# Altium PCB Cross-board.PcbDoc (part 2 of 2)
Units mm, origin at the board's own origin, x right, y up, seen from the top; angles counter-clockwise.
Board outline 151.25 x 101.25 mm, 2 copper layers (Top Layer, Bottom Layer); 165 components, 175 nets, 685 pads, 234 vias.
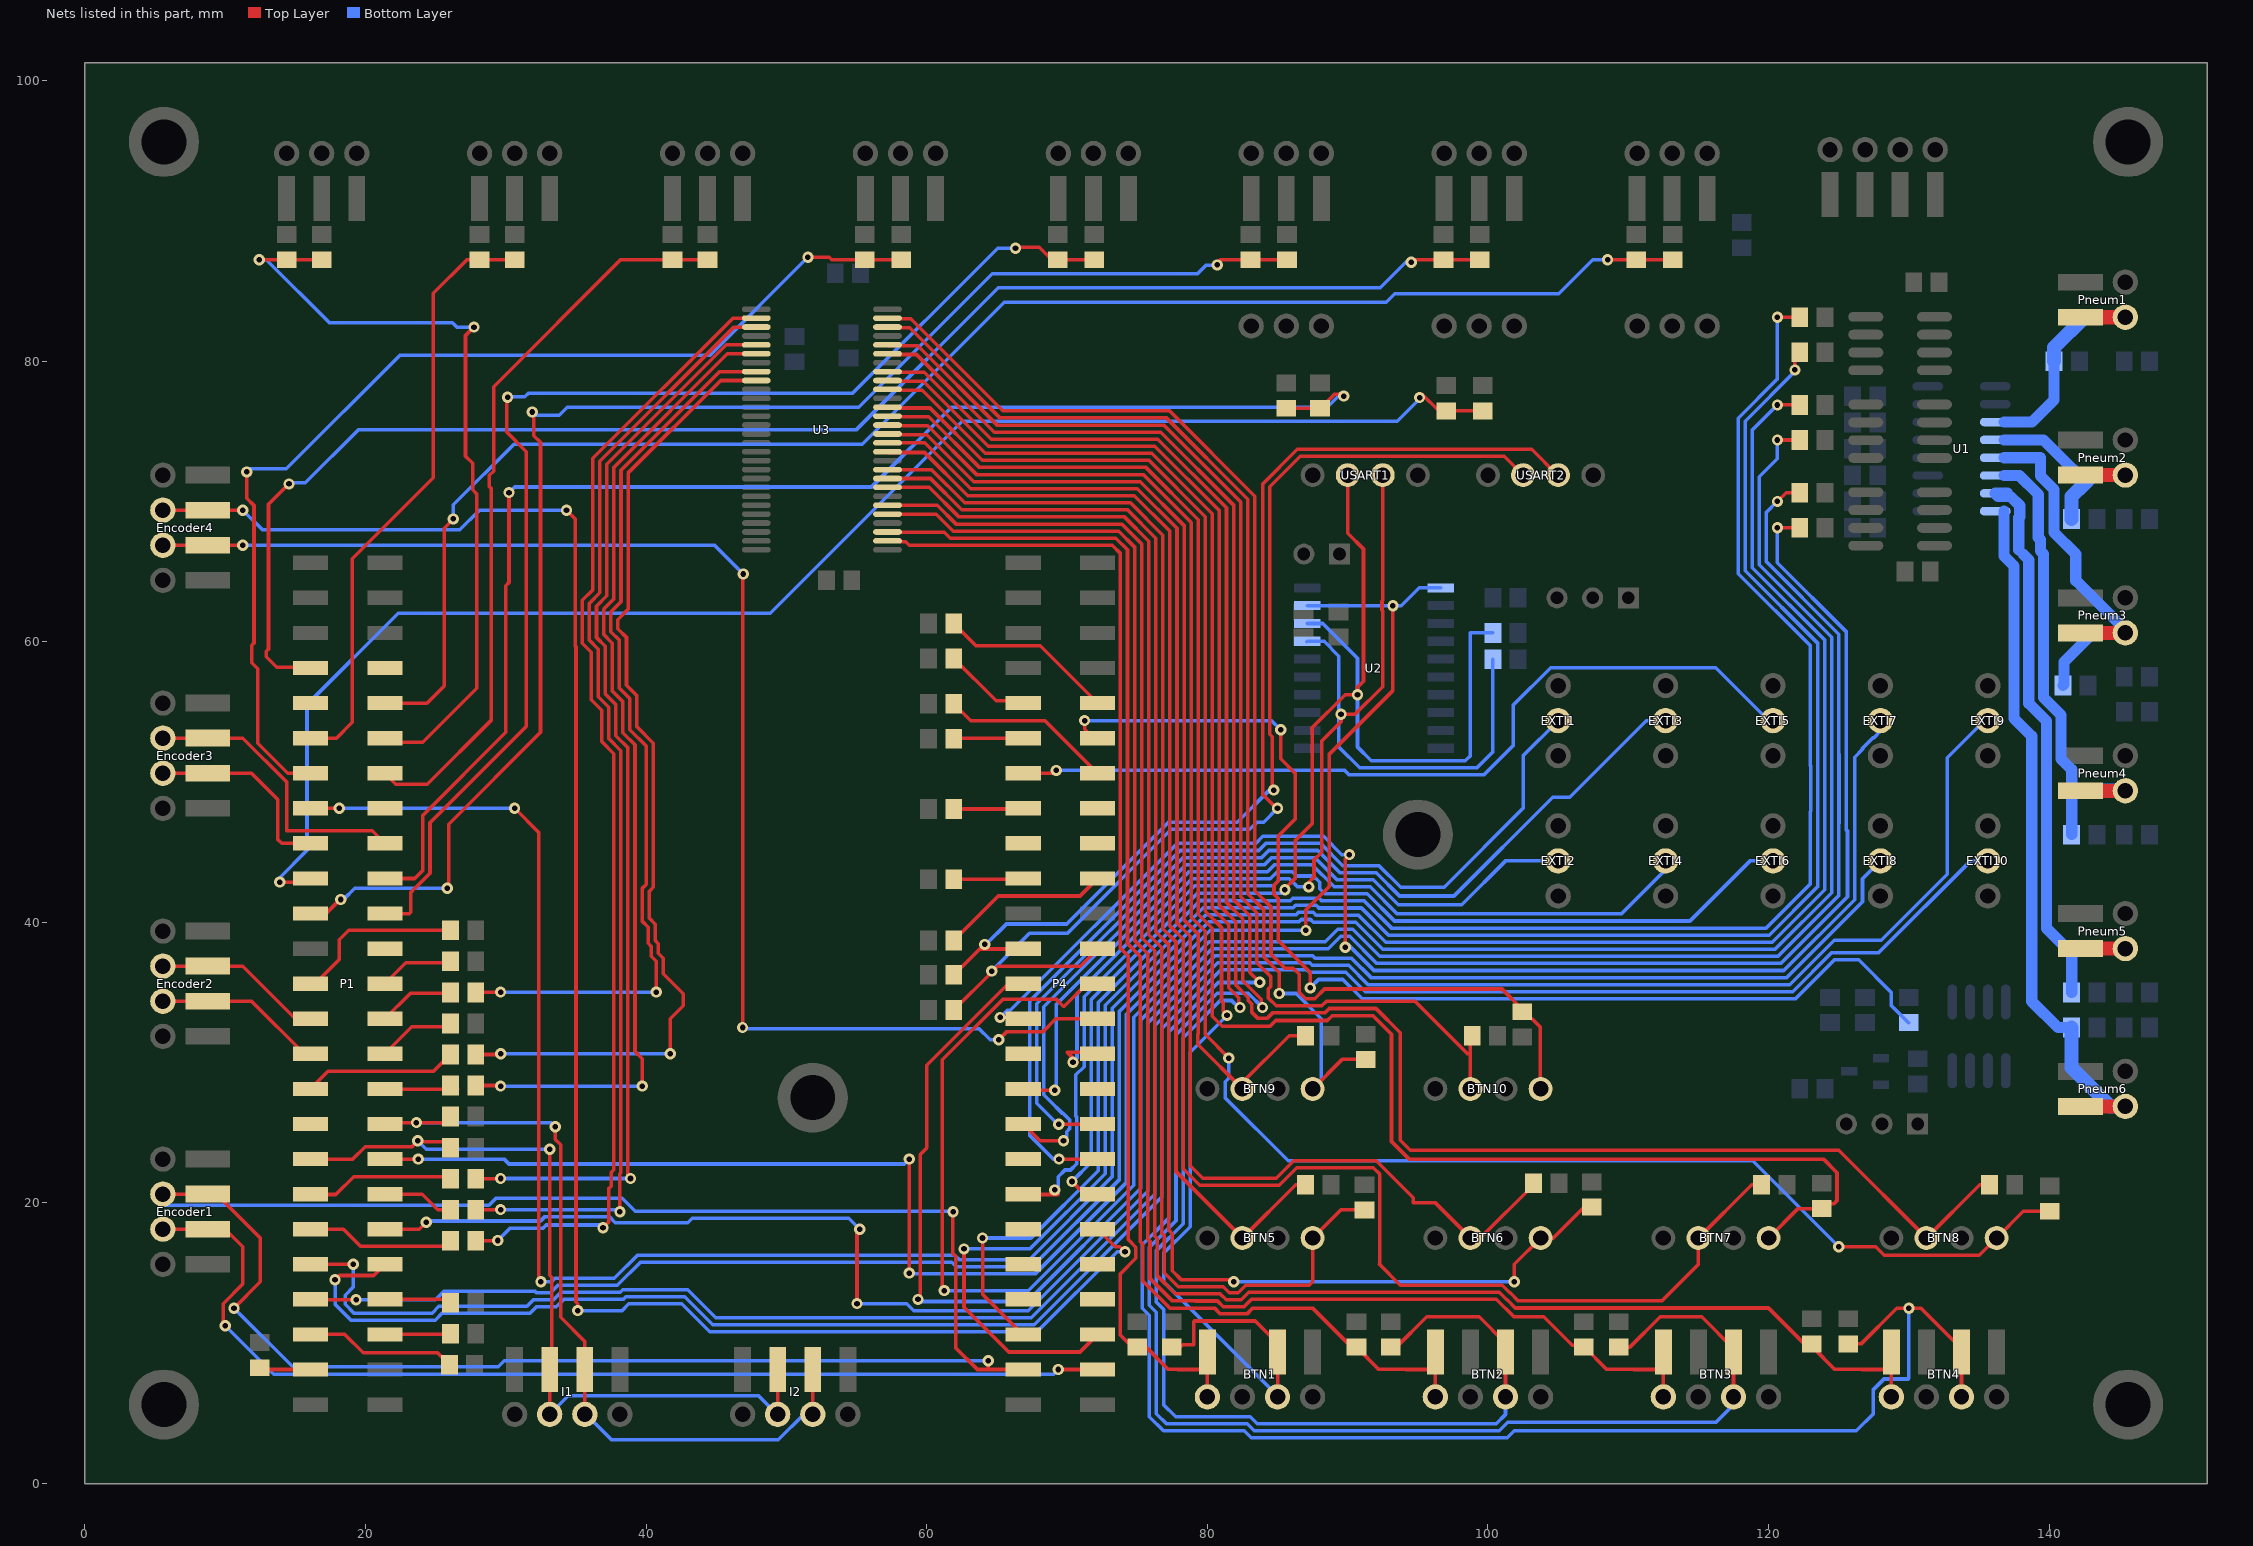
[diagram p2: the nets of this part, all layers, seen from the top]

## Via types
v1: diameter 0.8, hole 0.4, Top Layer to Bottom Layer, 219 vias
v2: diameter 1.2, hole 0.8, Top Layer to Bottom Layer, 15 vias

## Nets (pads, with @x,y where several pads share a name; then routed paths per layer and width w, separated by ;. In a path a pad name is that pad's centre, name@x,y a point inside that pad or via, vN(x,y) a via of type N, cw(c..) or ccw(c..) an arc to the next point about the centre after c; other vN are vias at no path point) (continued)
NetR52_2: R52.2 U3.37 | length 70.1
  Top Layer w0.254: R52.2@27.848,30.579 29.679,30.579 v1(29.633,30.625) ; v1(41.723,30.625) 41.723,33.124 42.652,34.053 42.652,34.911 41.219,36.344 41.219,37.443 40.867,37.795 40.867,38.484 40.645,38.706 40.645,39.868 40.211,40.302 40.211,42.198 40.504,42.491 40.504,52.772 39.344,53.932 39.344,56.156 38.598,56.902 38.598,60.303 37.973,60.928 37.973,61.572 38.71,62.309 38.71,72.021 45.306,78.617 U3.37@47.85,78.617
  Bottom Layer w0.254: v1(29.633,30.625) v1(41.723,30.625)
NetR53_2: R53.2 U3.36 | length 64.5
  Top Layer w0.254: R53.2@27.848,35.002 29.602,35.002 v1(29.625,35.025) ; v1(40.725,35.025) 40.715,35.035 40.715,37.234 40.363,37.586 40.363,38.275 40.141,38.497 40.141,39.659 39.707,40.093 39.707,42.407 40,42.7 40,52.563 38.84,53.723 38.84,55.947 38.094,56.693 38.094,60.094 37.469,60.719 37.469,62.118 38.206,62.855 38.206,72.23 45.229,79.252 U3.36@47.85,79.252
  Bottom Layer w0.254: v1(29.625,35.025) v1(40.725,35.025)
NetR54_2: R54.2 U3.34 | length 71
  Top Layer w0.254: R54.2@27.848,28.367 29.583,28.367 v1(29.625,28.325) ; v1(39.725,28.325) 39.725,30.275 39.203,30.797 39.203,52.648 38.336,53.515 38.336,55.738 37.59,56.484 37.59,59.886 36.965,60.511 36.965,62.327 37.702,63.064 37.702,72.439 45.786,80.522 U3.34@47.85,80.522
  Bottom Layer w0.254: v1(29.625,28.325) v1(39.725,28.325)
NetR55_2: R55.2 U3.33 | length 77.4
  Top Layer w0.254: R55.2@27.848,21.733 29.617,21.733 v1(29.625,21.74) ; v1(38.885,21.74) 38.699,21.926 38.699,52.439 37.832,53.306 37.832,55.529 37.086,56.275 37.086,59.677 36.461,60.302 36.461,62.535 37.198,63.272 37.198,72.647 45.708,81.157 U3.33@47.85,81.157
  Bottom Layer w0.254: v1(29.625,21.74) v1(38.885,21.74)
NetR56_2: R56.2 U3.31 | length 80.2
  Top Layer w0.254: R56.2@27.848,19.521 29.621,19.521 v1(29.625,19.525) ; v1(38.125,19.375) 38.108,19.392 38.108,22.062 38.195,22.15 38.195,52.23 37.328,53.097 37.328,55.321 36.582,56.067 36.582,59.468 35.957,60.093 35.957,62.744 36.694,63.481 36.694,72.856 46.265,82.427 U3.31@47.85,82.427 U3.31@47.847,82.425
  Bottom Layer w0.254: v1(29.625,19.525) 37.975,19.525 v1(38.125,19.375)
NetR57_2: R57.2 U3.30 | length 82.2
  Top Layer w0.254: R57.2@27.848,17.31 29.41,17.31 v1(29.425,17.325) ; v1(36.925,18.225) 37.348,18.648 37.348,21.035 37.5,21.187 37.5,22.167 37.691,22.358 37.691,52.021 36.824,52.888 36.824,55.112 36.078,55.858 36.078,59.259 35.453,59.884 35.453,62.953 36.19,63.69 36.19,73.065 46.187,83.062 U3.30@47.85,83.062
  Bottom Layer w0.254: v1(29.425,17.325) 30.309,18.209 32.672,18.209 32.888,18.425 37.125,18.425 v1(36.925,18.225)
PA0: C45.1 P1.12 R58.2 | length 56.3
  Top Layer w0.254: v1(12.425,87.225) C45.1@14.375,87.225 R58.2@16.875,87.225 ; P1.12@21.375,53.125 21.675,52.825 24.07,52.825 27.936,56.691 27.936,70.526 27.629,70.833 27.629,72.721 27.125,73.225 27.125,81.825 v1(27.725,82.425)
  Bottom Layer w0.254: v1(12.425,87.225) 12.925,87.225 17.425,82.725 26.194,82.725 26.494,82.425 v1(27.725,82.425)
PA1: C46.1 P1.11 R59.2 | length 43.2
  Top Layer w0.254: P1.11@16.075,53.125 17.925,53.125 19.052,54.252 19.052,65.907 24.825,71.68 24.825,84.825 27.225,87.225 C46.1@28.125,87.225 R59.2@30.625,87.225
PA2: C47.1 P1.14 R60.2 | length 52.7
  Top Layer w0.254: P1.14@21.375,50.625 22.152,49.848 24.403,49.848 28.944,54.389 28.944,70.943 28.825,71.062 28.825,71.856 29.125,72.156 29.125,78.18 38.17,87.225 40.025,87.225 C47.1@41.875,87.225 R60.2@44.375,87.225
PA3: C48.1 P1.13 R61.2 | length 77.5
  Top Layer w0.254: v1(11.525,72.1) 11.525,70.231 12.05,69.706 12.05,59.907 11.894,59.751 11.894,58.499 12.325,58.068 12.325,52.763 14.463,50.625 P1.13@16.075,50.625 ; v1(51.525,87.4) 53.05,87.4 53.225,87.225 C48.1@55.575,87.225 R61.2@58.175,87.225
  Bottom Layer w0.254: v1(11.525,72.1) 11.75,72.325 14.351,72.325 22.451,80.425 44.55,80.425 v1(51.525,87.4)
PA4: P1.16
PA5: P1.15 R24.1 | length 200.3
  Top Layer w0.254: P1.15@16.075,48.125 v1(18.125,48.125) ; v1(30.625,48.125) 32.348,46.402 32.348,14.527 v1(32.5,14.375) ; v1(120.625,76.875) R24.1@122.225,76.875
  Bottom Layer w0.254: v1(18.125,48.125) v1(30.625,48.125) ; v1(32.5,14.375) 33.249,14.375 33.507,14.633 37.734,14.633 39.382,16.281 61.995,16.281 62.33,15.946 67.297,15.946 73.229,21.878 73.229,33.869 79.905,40.545 81.469,40.545 81.48,40.534 86.322,40.534 86.494,40.706 87.555,40.706 87.747,40.514 90.773,40.514 92.705,38.582 120.251,38.582 123.992,42.323 123.992,47.472 124.009,47.489 124.009,51.561 123.992,51.578 123.992,60.12 118.84,65.272 118.84,75.09 v1(120.625,76.875)
PA6: Encoder3.3 P1.18 | length 21
  Top Layer w0.254: Encoder3.3@5.55,53.125 Encoder3.3@8.75,53.125 11.25,53.125 14.375,50 14.375,46.535 20.465,46.535 P1.18@21.375,45.625
PA7: Encoder3.2 P1.17 | length 14.3
  Top Layer w0.254: Encoder3.2@5.55,50.625 Encoder3.2@8.75,50.625 11.875,50.625 13.75,48.75 13.75,45.902 14.027,45.625 P1.17@16.075,45.625
PA8: P4.43
PA9: P4.44
PA10: P4.41
PA13: P4.42
PA14: P4.39
PA15: Encoder4.3 P4.40 | length 132.9
  Top Layer w0.254: Encoder4.3@4.925,69.375 v1(11.25,69.375) ; v1(34.324,69.375) 34.949,68.75 34.949,59.676 35,59.625 35,12.95 35.125,12.825 v1(35.125,12.325) ; P4.40@72.175,18.125 73.425,16.875 73.75,16.875 74.1,16.525 v1(74.125,16.525)
  Bottom Layer w0.254: v1(11.25,69.375) 12.652,67.973 26.723,67.973 28.125,69.375 v1(34.324,69.375) ; v1(35.125,12.325) 38.277,12.325 38.754,12.802 42.547,12.802 44.54,10.809 67.862,10.809 73.578,16.525 v1(74.125,16.525)
PB0: C49.1 P1.22 R62.2 | length 89.2
  Top Layer w0.254: P1.22@21.375,40.625 23.125,40.625 23.221,40.721 23.221,42.126 23.516,42.421 23.52,42.421 24.594,43.494 24.594,47.094 31.46,53.96 31.46,73.54 30.075,74.925 30.075,77.375 v1(30.125,77.425) ; v1(66.325,88.05) 66.4,88.125 68.025,88.125 68.925,87.225 C49.1@69.325,87.225 R62.2@71.925,87.225
  Bottom Layer w0.254: v1(30.125,77.425) 30.148,77.448 31.347,77.448 31.62,77.721 54.734,77.721 65.063,88.05 v1(66.325,88.05)
PB1: C50.1 P1.21 R63.2 | length 106
  Top Layer w0.254: P1.21@16.075,40.625 17.176,40.625 18.176,41.625 v1(18.225,41.625) ; v1(25.825,42.425) 25.925,42.525 25.925,46.999 32.468,53.542 32.468,74.206 31.996,74.678 31.996,76.253 v1(31.875,76.374) ; v1(80.696,86.854) 80.696,86.996 80.925,87.225 C50.1@83.075,87.225 R63.2@85.675,87.225
  Bottom Layer w0.254: v1(18.225,41.625) 18.425,41.625 19.225,42.425 v1(25.825,42.425) ; v1(31.875,76.374) 32.101,76.148 33.81,76.148 34.375,76.713 55.151,76.713 64.667,86.229 79.299,86.229 79.89,86.819 80.662,86.819 v1(80.696,86.854)
PB2: P1.24
PB3: Encoder4.2 P4.28 | length 100.9
  Top Layer w0.254: Encoder4.2@4.925,66.875 Encoder4.2@7.5,66.875 ; Encoder4.2@8.125,66.875 v1(11.25,66.875) ; v1(46.875,32.5) 46.875,64.775 v1(46.925,64.825) ; v1(65.125,31.625) 65.715,32.215 68.291,32.215 69.201,33.125 P4.28@72.175,33.125
  Bottom Layer w0.254: v1(11.25,66.875) 44.875,66.875 v1(46.925,64.825) ; v1(46.875,32.5) 46.95,32.425 63.725,32.425 64.525,31.625 v1(65.125,31.625)
PB4: P4.25 R25.1 | length 143.1
  Top Layer w0.254: v1(59.375,13.125) 59.527,13.277 59.527,23.447 60,23.92 60,29.812 65.813,35.625 P4.25@66.875,35.625 ; v1(120.625,68.125) R25.1@122.225,68.125
  Bottom Layer w0.254: v1(59.375,13.125) 59.527,12.973 67.175,12.973 75.245,21.043 75.245,33.034 80.329,38.118 88.619,38.118 89.503,39.002 90.147,39.002 92.079,37.07 120.877,37.07 125.625,41.818 125.625,46.512 125.521,46.616 125.521,60.729 120.625,65.625 v1(120.625,68.125)
PB5: P4.26 R20.1 | length 146.7
  Top Layer w0.254: v1(61.25,13.75) 61.098,13.902 61.098,30.197 65.403,34.502 69.247,34.502 69.737,34.012 69.788,34.012 71.401,35.625 P4.26@72.175,35.625 ; v1(120.625,70) 121.25,70.625 R20.1@122.225,70.625
  Bottom Layer w0.254: v1(61.25,13.75) 67.239,13.75 74.741,21.252 74.741,33.243 80.12,38.622 88.41,38.622 89.294,39.506 90.356,39.506 92.288,37.574 120.668,37.574 125,41.906 125,47.054 125.017,47.071 125.017,51.979 125,51.996 125,60.537 119.848,65.689 119.848,69.223 v1(120.625,70)
PB6: P4.23 R26.1 USART2.3 | length 75.4
  Top Layer w0.254: R26.1@61.525,36.25 R26.1@61.875,36.25 ; R26.1@61.925,36.25 63.775,38.1 66.875,38.1 P4.23@66.875,38.125 64.425,38.125 v1(64.125,38.425) ; v1(84.725,49.425) 84.625,49.425 84.625,53.226 84.448,53.403 84.448,71.035 86.626,73.213 101.162,73.213 USART2.3@102.5,71.875
  Bottom Layer w0.254: v1(64.125,38.425) 64.225,38.425 65.679,39.879 69.973,39.879 77.228,47.134 82.134,47.134 84.425,49.425 v1(84.725,49.425)
PB7: P4.24 R27.1 USART2.2 | length 83.7
  Top Layer w0.254: R27.1@61.925,33.75 64.662,36.488 65.05,36.875 70.95,36.875 72.175,38.1 72.15,38.125 P4.24@72.175,38.125 ; v1(85,48.125) 84.926,48.125 83.944,49.107 83.944,71.244 86.417,73.717 89.161,73.717 103.112,73.717 104.954,71.875 USART2.2@105,71.875
  Bottom Layer w0.254: v1(64.625,36.525) 67.325,39.225 70.031,39.225 77.436,46.63 83.029,46.63 83.533,47.134 84.009,47.134 v1(85,48.125)
PB8: P4.19 R43.1 | length 5
  Top Layer w0.254: R43.1@61.925,43.075 66.825,43.075 P4.19@66.875,43.125
PB9: P4.20 R42.1 | length 12.1
  Top Layer w0.254: R42.1@61.925,38.7 65.1,41.875 70.925,41.875 P4.20@72.175,43.125
PB10: I1.2 I2.2 P1.34 R7.2 | length 57.9
  Top Layer w0.254: P1.34@21.375,25.625 21.475,25.725 v1(23.625,25.725) R7.2@25.617,25.725 ; R7.2@25.517,25.625 R7.2@25.617,25.725 ; R7.2@26.048,26.156 R7.2@25.617,25.725 ; v1(33.525,25.425) 33.525,24.524 33.902,24.147 33.902,11.848 35.625,10.125 I1.2@35.625,8.125 I1.2@35.625,4.925 I1.2@35.625,4.375 ; I2.2@51.875,4.925 I2.2@51.875,8.125
  Bottom Layer w0.254: v1(23.625,25.725) 33.225,25.725 v1(33.525,25.425) ; I1.2@35.625,4.925 35.725,4.925 37.525,3.125 49.425,3.125 51.225,4.925 I2.2@51.875,4.925
PB11: I1.3 I2.3 P1.35 R8.2 | length 60
  Top Layer w0.254: P1.35@16.075,23.125 19.082,23.125 19.969,24.012 23.312,24.012 v1(23.725,24.425) 23.725,24.375 25.617,24.375 R8.2@26.048,23.944 ; I1.3@33.125,4.925 I1.3@33.125,8.125 33.277,8.277 33.277,14.697 33.125,14.849 v1(33.125,23.825) ; I2.3@49.375,4.925 I2.3@49.375,8.125
  Bottom Layer w0.254: v1(23.725,24.425) 24.325,23.825 v1(33.125,23.825) ; I1.3@33.125,4.925 34.45,6.25 48.004,6.25 49.329,4.925 I2.3@49.375,4.925
PB12: P1.36 U2.1 U2.19 | length 127
  Top Layer w0.254: P1.36@21.705,23.125 v1(23.75,23.125) ; v1(58.75,15) v1(58.75,23.125) ; v1(87.025,39.425) 87.025,40.893 88.7,42.569 88.7,45.235 88.7,52 93.225,56.525 v1(93.225,62.57)
  Bottom Layer w0.254: v1(23.75,23.125) 29.868,23.125 30.22,22.773 58.398,22.773 v1(58.75,23.125) ; v1(58.75,15) 58.75,14.938 67.714,14.938 74.237,21.461 74.237,33.452 80.21,39.425 v1(87.025,39.425) ; U2.19@87.125,62.57 v1@93.025,62.57 ; v1@93.025,62.625 v1@93.025,62.57 ; v1(93.225,62.57) v1@93.025,62.57 ; U2.1@96.625,63.84 95.09,63.84 93.82,62.57 v1@93.025,62.57
PB13: P1.37 R55.1 | length 9.7
  Top Layer w0.254: P1.37@16.405,20.625 16.43,20.6 17.875,20.6 19.15,21.875 R55.1@25.525,21.875
PB14: P1.38 R56.1 | length 5.1
  Top Layer w0.254: P1.38@21.375,20.625 24.05,20.625 25.154,19.521 R56.1@26.048,19.521
PB15: P1.39 R57.1 | length 10.6
  Top Layer w0.254: P1.39@16.075,18.125 18.425,18.125 19.625,16.925 25.663,16.925 R57.1@26.048,17.31
PC0: P1.8
PC1: C52.1 P1.7 R65.2 | length 108.1
  Top Layer w0.254: v1(14.543,71.25) 13.081,69.788 13.081,59.48 12.925,59.324 12.925,58.926 13.669,58.183 16.017,58.183 P1.7@16.075,58.125 ; v1(94.525,87.05) 94.525,87.225 C52.1@96.825,87.225 R65.2@99.425,87.225
  Bottom Layer w0.254: v1(14.543,71.25) 14.614,71.321 15.711,71.321 19.483,75.093 54.957,75.093 65.085,85.221 92.31,85.221 94.139,87.05 v1(94.525,87.05)
PC2: C53.1 P1.10 R66.2 | length 112.1
  Top Layer w0.254: P1.10@21.375,55.625 24.375,55.625 25.598,56.848 25.598,68.098 v1(26.25,68.75) ; v1(108.525,87.225) 108.625,87.225 C53.1@110.575,87.225 R66.2@113.175,87.225
  Bottom Layer w0.254: v1(26.25,68.75) 26.25,69.75 30.585,74.085 55.407,74.085 65.512,84.19 92.737,84.19 93.345,84.798 105.043,84.798 107.47,87.225 v1(108.525,87.225)
PC3: P1.9
PC4: C54.1 P1.20 R67.2 | length 99.3
  Top Layer w0.254: P1.20@21.375,43.125 23.512,43.125 24.09,43.703 24.09,47.641 30,53.551 30,64 30.225,64.225 v1(30.225,70.625) ; R67.2@85.625,76.637 C54.1@88.025,76.637 88.058,76.637 89.046,77.625 89.606,77.625 v1(89.725,77.506)
  Bottom Layer w0.254: v1(30.225,70.625) 30.625,71.025 56.064,71.025 61.76,76.721 88.554,76.721 89.339,77.506 v1(89.725,77.506)
PC5: C51.1 P1.19 R64.2 | length 109.3
  Top Layer w0.254: v1(13.884,42.866) 15.816,42.866 P1.19@16.075,43.125 ; v1(95.125,77.4) 95.125,77.425 95.325,77.625 96.5,76.45 C51.1@97.025,76.45 R64.2@99.625,76.45
  Bottom Layer w0.254: v1(13.884,42.866) 13.875,42.875 13.875,43.175 15.825,45.125 15.825,55.525 22.327,62.027 48.84,62.027 62.526,75.713 93.526,75.713 95.125,77.312 v1(95.125,77.4)
PC6: Encoder1.3 P4.47 | length 144.1
  Top Layer w0.254: Encoder1.3@4.925,20.625 9.375,20.625 12.5,17.5 12.5,14.375 v1(10.625,12.5) ; v1(61.875,19.375) 61.852,19.352 61.852,16.392 62.05,16.194 62.05,9.688 63.613,8.125 64.306,8.125 ; v1(64.375,8.75) 64.375,8.194 64.306,8.125 ; P4.47@66.875,8.125 64.306,8.125
  Bottom Layer w0.254: Encoder1.3@4.925,20.625 5.725,19.825 28.794,19.825 29.294,20.325 38.306,20.325 39.225,19.406 61.844,19.406 v1(61.875,19.375) ; v1(10.625,12.5) 14.8,8.325 29.456,8.325 29.881,8.75 v1(64.375,8.75)
PC7: Encoder1.2 P4.48 | length 76.9
  Top Layer w0.254: Encoder1.2@4.925,18.125 Encoder1.2@8.75,18.125 10,18.125 11.25,16.875 11.25,14.224 9.848,12.822 9.848,11.402 v1(10,11.25) ; v1(69.375,8.125) P4.48@72.175,8.125
  Bottom Layer w0.254: v1(10,11.25) 13.452,7.798 69.048,7.798 v1(69.375,8.125)
PC8: P4.45 R21.1 | length 131.7
  Top Layer w0.254: v1(63.975,17.5) 63.975,13.5 P4.45@66.85,10.625 ; P4.45@66.875,10.6 P4.45@66.85,10.625 ; P4.45@66.875,10.625 P4.45@66.85,10.625 ; v1(120.625,83.125) R21.1@122.225,83.125
  Bottom Layer w0.254: v1(63.975,17.5) 67.425,17.5 72.221,22.296 72.221,34.287 79.487,41.553 81.886,41.553 81.891,41.548 85.911,41.548 86.077,41.714 87.973,41.714 88.165,41.522 91.191,41.522 93.123,39.59 119.833,39.59 122.984,42.741 122.984,47.889 123.001,47.906 123.001,51.144 122.984,51.161 122.984,59.702 117.832,64.854 117.832,75.932 120.625,78.725 v1(120.625,83.125)
PC9: P4.46 R19.1 | length 137.7
  Top Layer w0.254: v1(62.652,16.723) 62.652,12.555 65.832,9.375 70.925,9.375 P4.46@72.175,10.625 ; v1(121.875,79.375) 121.875,80.275 R19.1@122.225,80.625
  Bottom Layer w0.254: v1(62.652,16.723) 67.361,16.723 72.725,22.087 72.725,34.078 79.696,41.049 81.678,41.049 81.683,41.044 86.119,41.044 86.285,41.21 87.764,41.21 87.956,41.018 90.982,41.018 92.914,39.086 120.042,39.086 123.488,42.532 123.488,47.681 123.505,47.698 123.505,51.352 123.488,51.369 123.488,59.911 118.336,65.063 118.336,75.723 121.875,79.262 v1(121.875,79.375)
PC10: P4.37 R29.1 U2.17 USART1.2 | length 97.3
  Top Layer w0.254: P4.37@66.875,20.6 69.35,20.6 69.375,20.625 69.125,20.875 v1(69.125,20.925) ; v1@87.225,42.85 87.6,43.225 87.6,44.45 88.15,45 88.15,45.463 88.15,52.925 89.525,54.3 v1(89.525,54.825) 90.525,54.825 92.5,56.8 92.5,62.196 92.448,62.248 92.448,62.892 92.5,62.944 USART1.2@92.5,71.875
  Bottom Layer w0.254: v1(69.125,20.925) 69.375,21.175 69.375,21.875 69.848,22.348 70.247,22.348 70.681,22.782 70.681,26.131 70.625,26.187 70.625,29.126 71.213,29.714 71.213,34.704 79.106,42.598 84.699,42.598 85.203,43.102 85.847,43.102 86.424,42.525 v1(87.225,42.525) ; U2.17@87.095,60 U2.17@87.125,60.03 88.32,60.03 89.375,58.975 89.375,52.5 90.867,51.008 99.221,51.008 100.35,52.137 R29.1@100.35,58.75
PC11: P4.38 R28.1 U2.18 USART1.3 | length 95.5
  Top Layer w0.254: v1(70.351,21.524) 71.25,20.625 P4.38@72.175,20.625 ; v1@85.487,42.362 86.25,43.125 86.25,45.814 87.461,47.025 87.461,53.725 87.458,53.729 87.458,53.856 89.826,56.225 v1(90.7,56.225) 90.7,56.75 91.125,57.175 91.125,66.606 90,67.731 USART1.3@90,71.875
  Bottom Layer w0.254: v1(70.351,21.524) 71.717,22.891 71.717,34.496 79.278,42.057 85.257,42.057 v1(85.525,42.325) ; U2.18@87.125,61.3 88.223,61.3 90.7,58.823 v1(90.7,56.225) 90.7,52.5 91.688,51.512 98.387,51.512 98.75,51.875 98.75,60.625 R28.1@100.35,60.625
PC12: P4.35
PC13: P4.12 R23.1 | length 83.3
  Top Layer w0.254: v1(71.25,54.375) 71.25,53.75 P4.12@71.875,53.125 ; v1(85.225,53.725) 85.225,51.65 86.25,50.625 86.25,47.349 85.048,46.147 85.048,42.947 84.748,42.647 84.748,42.003 85.048,41.703 85.048,38.702 87.325,36.425 v1(87.325,35.325)
  Bottom Layer w0.254: v1(71.25,54.375) 84.575,54.375 v1(85.225,53.725) ; v1(87.325,35.325) 87.925,35.925 89.66,35.925 91.035,34.55 121.921,34.55 124.692,37.321 126.429,37.321 128.75,35 128.75,34.067 129.967,32.85 R23.1@130,32.85
PC14: P4.9 R50.1 | length 6.4
  Top Layer w0.254: R50.1@61.925,58.8 64.941,55.784 66.875,55.784 P4.9@66.875,55.625
PC15: P4.10 R51.1 | length 12.8
  Top Layer w0.254: R51.1@61.525,61.119 R51.1@61.525,61.3 ; R51.1@61.925,61.3 63.51,59.715 68.085,59.715 P4.10@72.175,55.625
PD0: EXTI1.2 P4.36 | length 65.8
  Top Layer w0.254: v1(69.425,23.125) P4.36@72.175,23.125
  Bottom Layer w0.254: v1(69.425,23.125) 69.025,23.125 67.325,24.825 67.325,34.38 78.063,45.118 83.655,45.118 84.159,45.622 88.078,45.622 89.658,44.042 92.234,44.042 93.776,42.5 96.875,42.5 102.5,48.125 102.5,51.875 EXTI1.2@105,54.375
PD1: EXTI2.2 P4.33 | length 57.6
  Top Layer w0.254: P4.33@66.875,25.625 68.075,24.425 v1(69.741,24.425)
  Bottom Layer w0.254: v1(69.741,24.425) 69.983,24.667 69.983,25.084 70.177,25.278 70.177,25.922 69.722,26.377 69.673,26.377 68.725,27.325 68.348,27.703 68.348,33.978 78.48,44.11 84.073,44.11 84.577,44.614 87.66,44.614 89.24,43.034 91.817,43.034 93.601,41.25 98.125,41.25 101.25,44.375 EXTI2.2@105,44.375
PD2: EXTI3.2 P4.34 | length 67.9
  Top Layer w0.254: v1@69.375,25.625 v1(69.4,25.6) P4.34@72.175,25.6
  Bottom Layer w0.254: v1(69.4,25.6) 69.337,25.6 67.844,27.093 67.844,34.186 78.271,44.614 83.864,44.614 84.368,45.118 87.869,45.118 89.449,43.538 92.026,43.538 93.689,41.875 97.574,41.875 104.624,48.925 105.825,48.925 111.275,54.375 EXTI3.2@112.656,54.375
PD3: EXTI4.2 P4.31 | length 60
  Top Layer w0.254: P4.31@66.875,28.125 66.975,28.025 v1(69.125,28.025)
  Bottom Layer w0.254: v1(69.125,28.025) 69.229,28.129 69.229,34.146 78.689,43.606 84.281,43.606 84.785,44.11 87.451,44.11 89.031,42.53 91.608,42.53 93.54,40.598 109.498,40.598 112.656,43.756 EXTI4.2@112.656,44.375 EXTI4.2@112.075,44.375
PD4: P4.32
PD5: P4.29
PD6: EXTI6.2 P4.30 | length 65.2
  Top Layer w0.254: v1(70.425,30.025) 70.725,30.025 70.025,30.725 72.075,30.725 P4.30@72.175,30.625
  Bottom Layer w0.254: v1(70.425,30.025) 70.709,30.309 70.709,34.913 78.898,43.102 84.49,43.102 84.994,43.606 86.055,43.606 86.359,43.302 87.547,43.302 88.002,42.847 88.002,42.398 88.374,42.026 91.399,42.026 93.331,40.094 114.394,40.094 118.675,44.375 EXTI6.2@120.312,44.375
PD7: EXTI7.2 P4.27 | length 92
  Top Layer w0.254: v1(65.225,33.225) 66.775,33.225 P4.27@66.875,33.125 ; v1(89.825,38.225) 89.825,44.525 v1(90.125,44.825)
  Bottom Layer w0.254: v1(65.225,33.225) 65.725,33.725 65.957,33.725 77.854,45.622 83.446,45.622 83.95,46.126 88.286,46.126 89.587,44.825 v1(90.125,44.825) ; v1(89.825,38.225) 90.018,38.418 91.87,36.566 121.086,36.566 126.129,41.609 126.129,51.77 126.692,52.333 126.692,52.404 127.44,53.152 127.511,53.152 127.969,53.61 EXTI7.2@127.969,54.375
PD8: EXTI8.2 P1.40 | length 135.9
  Top Layer w0.254: P1.40@21.375,18.125 23.825,18.125 v1(24.325,18.625) ; v1(55.025,12.825) 55.025,17.925 v1(55.225,18.125)
  Bottom Layer w0.254: v1(24.325,18.625) 24.413,18.713 32.463,18.713 32.752,19.002 37.399,19.002 37.803,18.598 42.973,18.598 43.277,18.902 54.448,18.902 v1(55.225,18.125) ; v1(55.025,12.825) 58.576,12.825 59.08,12.321 67.236,12.321 75.749,20.834 75.749,32.826 80.537,37.614 87.509,37.614 87.675,37.448 90.275,37.448 91.661,36.062 121.295,36.062 126.692,41.459 126.692,43.098 EXTI8.2@127.969,44.375
PD9: EXTI9.2 P1.41 | length 155.8
  Top Layer w0.254: P1.41@16.075,15.625 v1(19.125,15.625)
  Bottom Layer w0.254: v1(19.125,15.625) 19.125,14.002 18.548,13.425 18.548,12.772 19.172,12.148 24.748,12.148 25.225,12.625 31.5,12.625 31.969,13.094 33.394,13.094 33.925,13.625 38.151,13.625 38.336,13.81 42.964,13.81 44.957,11.817 67.444,11.817 76.253,20.626 76.253,32.617 80.746,37.11 87.3,37.11 87.466,36.944 90.067,36.944 91.453,35.558 121.504,35.558 124.671,38.725 128.025,38.725 132.725,43.425 132.725,51.725 135.375,54.375 EXTI9.2@135.625,54.375
PD10: EXTI10.2 P1.42 | length 147.5
  Top Layer w0.254: v1(17.825,14.525) 18.125,14.825 20.575,14.825 P1.42@21.375,15.625
  Bottom Layer w0.254: v1(17.825,14.525) 17.825,12.782 18.963,11.644 24.957,11.644 25.434,12.121 31.709,12.121 32.178,12.59 33.603,12.59 34.134,13.121 38.36,13.121 38.545,13.306 42.756,13.306 44.749,11.313 67.653,11.313 76.757,20.417 76.757,32.408 80.955,36.606 87.092,36.606 87.258,36.44 89.858,36.44 91.244,35.054 121.712,35.054 124.483,37.825 127.838,37.825 134.388,44.375 EXTI10.2@135.625,44.375
PD11: P1.43 R22.1 | length 166.1
  Top Layer w0.254: P1.43@16.075,13.125 16.106,13.094 v1(19.325,13.094) ; v1(120.625,74.375) R22.1@122.225,74.375
  Bottom Layer w0.254: v1(19.325,13.094) 24.981,13.094 25.58,13.692 32.084,13.692 32.178,13.598 33.185,13.598 33.716,14.129 37.942,14.129 39.59,15.777 61.786,15.777 62.121,15.442 67.506,15.442 73.733,21.669 73.733,33.661 80.113,40.041 81.26,40.041 81.271,40.03 86.531,40.03 86.703,40.202 87.347,40.202 87.539,40.01 90.564,40.01 92.496,38.078 120.46,38.078 124.496,42.114 124.496,47.263 124.513,47.28 124.513,51.77 124.496,51.787 124.496,60.328 119.344,65.48 119.344,71.756 120.625,73.037 v1(120.625,74.375)
PD12: P1.44 R38.1 | length 4.8
  Top Layer w0.254: P1.44@21.375,13.125 25.81,13.125 R38.1@26.048,12.887
PD13: P1.45 R39.1 | length 10.8
  Top Layer w0.254: P1.45@16.075,10.625 18.525,10.625 19.825,9.325 25.125,9.325 R39.1@25.975,8.475
PD14: P1.46 R40.1 | length 4.7
  Top Layer w0.254: P1.46@21.375,10.625 R40.1@26.048,10.625
PD15: P1.47 R41.1 | length 3.7
  Top Layer w0.254: R41.1@12.45,8.25 12.575,8.125 P1.47@16.075,8.125
PE0: P4.17
PE1: P4.18
PE2: P4.15 R46.1 | length 5
  Top Layer w0.254: R46.1@61.925,48.075 66.825,48.075 P4.15@66.875,48.125
PE3: P4.16
PE4: EXTI5.2 P4.13 | length 60.1
  Top Layer w0.254: P4.13@66.875,50.625 69.025,50.625 v1(69.225,50.825)
  Bottom Layer w0.254: v1(69.225,50.825) 89.8,50.825 90.121,50.504 99.704,50.504 101.788,52.588 101.788,55.468 104.471,58.152 116.223,58.152 120,54.375 EXTI5.2@120.312,54.375
PE5: P4.14 R48.1 | length 12.4
  Top Layer w0.254: R48.1@61.925,55.575 63.125,54.375 68.425,54.375 72.026,50.774 72.026,50.625 P4.14@72.175,50.625
PE6: P4.11 R49.1 | length 5.1
  Top Layer w0.254: R49.1@61.75,53.075 61.8,53.125 P4.11@66.875,53.125
PE7: P1.25 R44.1 | length 12.4
  Top Layer w0.254: P1.25@16.075,35.625 16.396,35.625 18.125,37.354 18.125,38.75 18.8,39.425 R44.1@26.048,39.425
PE8: P1.26 R45.1 | length 5.5
  Top Layer w0.254: P1.26@21.375,35.625 22.875,37.125 25.623,37.125 R45.1@26.048,37.55
PE9: Encoder2.3 P1.27 | length 12.1
  Top Layer w0.254: Encoder2.3@5.55,36.875 Encoder2.3@8.75,36.875 11.25,36.875 15,33.125 P1.27@16.075,33.125
PE10: P1.28 R53.1 | length 5.4
  Top Layer w0.254: P1.28@21.375,33.125 23.2,34.95 R53.1@26.048,34.95
PE11: Encoder2.2 P1.29 | length 12.1
  Top Layer w0.254: Encoder2.2@5.55,34.375 Encoder2.2@8.75,34.375 11.875,34.375 15.625,30.625 P1.29@16.075,30.625
PE12: P1.30 R47.1 | length 5.5
  Top Layer w0.254: P1.30@21.375,30.625 23.3,32.55 R47.1@26.048,32.55
PE13: P1.31 R52.1 | length 11
  Top Layer w0.254: P1.31@16.075,28.125 17.325,29.375 24.844,29.375 R52.1@26.048,30.579 ; P1.31@16.405,28.125 P1.31@16.43,28.1
PE14: P1.32 R54.1 | length 4.8
  Top Layer w0.254: P1.32@21.73,28.1 R54.1@26.575,28.1
PE15: P1.33
PNEUM_1: D5.2 Pneum6.1 U1.16 | length 50.4
  Top Layer w0.254: Pneum6.1@145.423,26.875 Pneum6.1@145.425,26.877
  Top Layer w1: Pneum6.1@142.225,26.875 Pneum6.1@145.423,26.875
  Bottom Layer w0.8: U1.16@136.775,69.305 136.775,66.115 137.5,65.39 137.5,54.53 138.75,53.28 138.75,34.375 140.625,32.5 D5.2@141.6,32.5
  Bottom Layer w1: D5.2@141.6,32.5 141.6,29.65 144.373,26.877 Pneum6.1@145.425,26.877
PNEUM_2: D4.2 Pneum5.1 U1.15 | length 46.2
  Top Layer w0.254: Pneum5.1@145.423,38.125 Pneum5.1@145.425,38.127
  Top Layer w1: Pneum5.1@142.225,38.125 Pneum5.1@145.423,38.125
  Bottom Layer w0.8: U1.15@137.023,70.575 U1.15@136.15,70.575 136.37,70.355 137.243,70.355 137.9,69.698 137.9,68.911 137.825,68.836 137.825,66.55 ; 138.125,66.25 138.55,65.825 138.55,55.596 139.8,54.346 139.8,39.575 141.25,38.125 141.252,38.127 141.952,38.127 ; D4.2@141.6,35 141.6,37.775 141.952,38.127 ; Pneum5.1@145.425,38.127 141.952,38.127
PNEUM_3: D3.2 Pneum4.1 U1.14 | length 35
  Top Layer w0.254: Pneum4.1@145.423,49.375 Pneum4.1@145.425,49.377
  Top Layer w1: Pneum4.1@142.225,49.375 Pneum4.1@145.423,49.375
  Bottom Layer w0.8: U1.14@136.775,71.845 137.863,71.845 139.224,70.484 139.224,67.422 139.375,67.271 139.375,66.485 139.6,66.26 139.6,56.031 140.85,54.781 140.85,51.65 141.6,50.9 D3.2@141.6,46.25
  Bottom Layer w1: 141.875,49.377 Pneum4.1@145.425,49.377
PNEUM_4: D2.2 Pneum3.1 U1.13 | length 27.7
  Top Layer w0.254: Pneum3.1@145.423,60.625 Pneum3.1@145.425,60.627
  Top Layer w1: Pneum3.1@142.225,60.625 Pneum3.1@145.423,60.625
  Bottom Layer w0.254: Pneum3.1@145.423,60.625 Pneum3.1@145.425,60.627
  Bottom Layer w0.8: U1.13@136.775,73.115 139.385,73.115 139.385,71.808 140.35,70.843 140.35,67.781 141.9,66.231 141.9,64.35 145.425,60.825 Pneum3.1@145.425,60.627 143.127,60.627 141.05,58.55 141.05,56.95 D2.2@140.975,56.875
PNEUM_5: D1.2 Pneum2.1 U1.12 | length 17.4
  Top Layer w0.254: Pneum2.1@141.25,71.875 Pneum2.1@142.225,71.875 ; Pneum2.1@145.423,71.875 Pneum2.1@145.425,71.877
  Top Layer w1: Pneum2.1@142.225,71.875 Pneum2.1@145.423,71.875
  Bottom Layer w0.8: U1.12@136.775,74.385 139.6,74.385 141.675,72.31 141.675,72.075 142.5,71.25
  Bottom Layer w1: D1.2@141.6,68.75 141.6,70.35 142.5,71.25 143.127,71.877 Pneum2.1@145.425,71.877
PNEUM_6: D6.2 Pneum1.1 U1.11 | length 18.1
  Top Layer w0.254: Pneum1.1@141.25,83.125 Pneum1.1@142.225,83.125 ; Pneum1.1@145.423,83.125 Pneum1.1@145.425,83.127
  Top Layer w1: Pneum1.1@142.225,83.125 Pneum1.1@145.423,83.125
  Bottom Layer w0.8: U1.11@136.775,75.655 138.78,75.655 140.35,77.225 D6.2@140.35,80
  Bottom Layer w1: D6.2@140.35,80 140.35,80.975 142.502,83.127 Pneum1.1@145.425,83.127
PWM1: BTN5.4 R13.1 U3.8 | length 91.9
  Top Layer w0.254: U3.8@57.2,70.997 60.186,70.997 62.293,68.891 74.097,68.891 75.818,67.17 75.818,39.116 76.757,38.177 76.757,17.843 76.918,17.682 76.918,15.032 77.92,14.03 79.564,14.03 79.576,14.018 81.133,14.018 81.553,13.598 82.197,13.598 82.732,14.133 87.258,14.133 87.5,14.375 BTN5.4@87.5,17.5 89.5,19.5 R13.1@91.2,19.5
PWM1DIR: BTN5.2 U3.10 VD5.2 | length 80.1
  Top Layer w0.254: U3.10@57.2,72.267 60.342,72.267 62.71,69.899 74.515,69.899 76.826,67.588 76.826,39.533 77.765,38.594 77.765,22.235 BTN5.2@82.5,17.5 86.3,21.3 VD5.2@87,21.3
PWM2: BTN6.4 R14.1 U3.9 | length 106.2
  Top Layer w0.254: U3.9@57.2,71.632 60.264,71.632 62.501,69.395 74.306,69.395 76.322,67.379 76.322,39.324 77.261,38.385 77.261,18.051 77.5,17.812 77.5,15.163 78.125,14.538 81.712,14.538 v1(81.875,14.375) ; v1(101.875,14.375) 101.875,15.625 BTN6.4@103.75,17.5 104.65,17.5 R14.1@106.875,19.725
  Bottom Layer w0.254: v1(81.875,14.375) v1(101.875,14.375)
PWM2DIR: BTN6.2 U3.13 VD6.2 | length 98.4
  Top Layer w0.254: U3.13@57.2,74.172 59.862,74.172 63.128,70.907 75.003,70.907 77.834,68.076 77.834,39.951 78.773,39.012 78.773,22.653 79.668,21.758 84.901,21.758 86.157,23.014 92.032,23.014 94.682,20.364 94.682,20.025 96.225,20.025 BTN6.2@98.75,17.5 99.45,17.5 VD6.2@103.25,21.3
PWM3: BTN7.4 R15.1 U3.16 | length 123.2
  Top Layer w0.254: U3.16@57.2,76.077 57.254,76.023 60.149,76.023 63.754,72.419 75.629,72.419 79.346,68.702 79.346,40.577 80.348,39.575 80.348,33.303 81.061,32.59 84.465,32.59 84.877,33.002 88.539,33.002 88.889,33.352 91.806,33.352 93.125,32.033 93.125,24.375 94.375,23.125 123.908,23.125 124.877,22.156 124.877,20.171 124.656,19.95 124.15,19.95 R15.1@123.8,19.6 122.1,19.6 BTN7.4@120,17.5
PWM3DIR: BTN7.2 U3.12 VD7.2 | length 122.8
  Top Layer w0.254: U3.12@57.2,73.537 57.254,73.483 59.838,73.483 62.919,70.403 74.794,70.403 77.33,67.867 77.33,39.742 78.269,38.803 78.269,22.444 79.463,21.25 85.111,21.25 86.367,22.506 91.827,22.506 92.277,22.056 92.277,15.636 ; 92.266,15.625 93.758,14.133 101.018,14.133 101.553,13.598 101.578,13.598 102.162,13.014 112.389,13.014 115,15.625 BTN7.2@115,17.5 118.8,21.3 VD7.2@119.5,21.3
PWM4: BTN8.4 R16.1 U3.15 | length 131.5
  Top Layer w0.254: U3.15@57.2,75.442 57.254,75.388 60.072,75.388 63.545,71.915 75.42,71.915 78.842,68.493 78.842,40.368 79.839,39.371 79.839,32.011 v1(81.525,30.325) ; v1(125,16.875) 127.634,16.875 128.24,16.269 135.019,16.269 BTN8.4@136.25,17.5 138.152,19.402 R16.1@140.05,19.402
  Bottom Layer w0.254: v1(81.525,30.325) 81.525,28.885 81.273,28.633 81.273,27.477 85.756,22.994 118.881,22.994 v1(125,16.875)
PWM4DIR: BTN8.2 U3.20 VD8.2 | length 130.1
  Top Layer w0.254: U3.20@57.2,78.617 57.254,78.563 59.748,78.563 64.38,73.931 76.255,73.931 80.858,69.328 80.858,41.203 82.016,40.045 82.016,35.534 82.921,34.629 82.921,34.428 83.148,34.201 83.148,33.603 83.603,33.148 84.247,33.148 84.639,33.54 88.364,33.54 88.68,33.856 92.015,33.856 93.75,32.121 93.75,24.468 94.468,23.75 125,23.75 BTN8.2@131.25,17.5 135.05,21.3 VD8.2@135.75,21.3
PWM5: BTN9.4 R17.1 U3.26 | length 80.6
  Top Layer w0.254: U3.26@57.2,82.427 57.254,82.373 58.789,82.373 65.215,75.947 77.09,75.947 82.874,70.163 82.874,42.038 84.032,40.88 84.032,37.505 85.125,36.412 v1(85.125,34.925) ; BTN9.4@87.5,28.125 89.6,30.225 R17.1@91.3,30.225
  Bottom Layer w0.254: v1(85.125,34.925) 86.325,34.925 88.125,33.125 88.125,28.75 BTN9.4@87.5,28.125
PWM5DIR: BTN9.2 U3.14 VD9.2 | length 72.1
  Top Layer w0.254: U3.14@57.2,74.807 57.254,74.753 59.994,74.753 63.336,71.411 75.211,71.411 78.338,68.284 78.338,40.159 79.335,39.162 79.335,32.05 79.317,32.032 79.317,31.308 BTN9.2@82.5,28.125 82.5,28.6 85.825,31.925 VD9.2@87,31.925
PWM6: BTN10.4 R18.1 U3.27 | length 92.6
  Top Layer w0.254: U3.27@57.2,83.062 57.254,83.008 58.867,83.008 65.424,76.451 77.299,76.451 83.378,70.372 83.378,42.247 84.536,41.089 84.536,37.714 85.539,36.711 86.129,36.711 86.548,36.292 86.548,35.847 86.548,35.003 87.003,34.548 87.647,34.548 88.347,35.248 101.002,35.248 R18.1@102.45,33.8 ; R18.1@102.45,33.625 R18.1@102.45,33.8 ; BTN10.4@104.475,28.125 BTN10.4@103.75,28.125 103.74,28.135 103.74,32.51 R18.1@102.45,33.8
PWM6DIR: BTN10.2 U3.24 VD10.2 | length 86.3
  Top Layer w0.254: U3.24@57.2,81.157 57.254,81.103 59.346,81.103 65.006,75.443 76.881,75.443 82.37,69.954 82.37,41.829 83.528,40.671 83.528,37.124 84.502,36.15 84.502,35.401 84.348,35.247 84.348,34.603 84.907,34.044 88.155,34.044 88.471,34.36 94.807,34.36 98.542,30.625 98.75,30.625 ; BTN10.2@98.75,28.125 98.75,30.625 ; VD10.2@98.875,31.925 98.75,31.8 98.75,30.625
WHEEL1DIR: BTN1.2 U3.17 VD1.2 | length 107.8
  Top Layer w0.254: U3.17@57.2,76.712 57.254,76.658 60.227,76.658 63.963,72.923 75.838,72.923 79.85,68.911 79.85,40.786 81.008,39.628 81.008,34.367 81.125,34.25 81.125,33.625 81.383,33.367 v1(81.398,33.367) ; VD1.2@78.075,9.725 78.233,9.883 79.019,9.883 79.023,9.887 79.023,11.523 79.082,11.582 83.418,11.582 85,10 BTN1.2@85,6.175
  Bottom Layer w0.254: v1@81.125,33.095 78.773,30.743 78.773,18.302 76.875,16.404 76.875,14.375 85,6.25 BTN1.2@85,5.621
WHEEL1PWM: BTN1.4 R9.1 U3.2 | length 83.2
  Top Layer w0.254: U3.2@57.2,67.187 58.125,67.187 58.125,67.129 58.496,67.129 58.75,66.875 73.218,66.875 73.802,66.291 73.802,38.15 74.375,37.577 74.375,17.374 74.902,16.847 74.902,16.059 73.802,14.959 73.802,10.573 75.118,9.257 75.586,9.725 75.625,9.725 76.373,8.977 76.373,8.969 77.19,8.152 77.856,8.152 77.883,8.125 80,8.125 BTN1.4@80,6.175
WHEEL2DIR: BTN2.2 U3.19 VD2.2 | length 136
  Top Layer w0.254: U3.19@57.2,77.982 57.254,77.928 59.67,77.928 64.171,73.427 76.046,73.427 80.354,69.119 80.354,40.994 81.512,39.836 81.512,35.325 82.225,34.612 82.225,34.025 v1(82.325,33.925) ; VD2.2@93.075,9.725 93.475,9.725 95.625,11.875 99.375,11.875 101.25,10 BTN2.2@101.25,9.375 BTN2.2@101.25,6.175 BTN2.2@101.25,5.625
  Bottom Layer w0.254: v1(82.325,33.925) 82.224,33.925 81.72,34.429 80.916,34.429 78.269,31.782 78.269,18.51 76.371,16.612 76.371,12.916 76.875,12.412 76.875,5.625 77.742,4.758 83.049,4.758 83.547,4.26 100.585,4.26 101.25,4.925 BTN2.2@101.25,6.175
WHEEL2PWM: BTN2.4 R10.1 U3.3 | length 97.2
  Top Layer w0.254: U3.3@57.2,67.822 57.219,67.803 61.242,67.803 61.666,67.379 73.471,67.379 74.306,66.544 74.306,38.489 75.203,37.592 75.203,17.258 75.406,17.056 75.406,14.406 77.306,12.506 80.507,12.506 80.927,12.086 82.823,12.086 83.243,12.506 87.494,12.506 90.275,9.725 R10.1@90.625,9.725 92.198,8.152 94.106,8.152 94.133,8.125 BTN2.4@96.25,8.125 ; BTN2.4@96.25,6.175 BTN2.4@96.25,8.125 ; BTN2.4@96.25,9.375 BTN2.4@96.25,8.125
WHEEL3DIR: BTN3.2 U3.21 VD3.2 | length 157.6
  Top Layer w0.254: U3.21@57.2,79.252 57.254,79.198 59.825,79.198 64.589,74.435 76.464,74.435 81.362,69.537 81.362,41.412 82.52,40.254 82.52,35.831 83.844,34.507 83.844,34.006 v1(83.925,33.925) ; VD3.2@109.325,9.725 110.117,9.725 112.267,11.875 115.233,11.875 117.5,9.608 BTN3.2@117.5,9.375 117.5,8.125 BTN3.2@117.5,5.625
  Bottom Layer w0.254: v1(83.925,33.925) 82.917,34.933 80.707,34.933 77.765,31.991 77.765,18.719 75.867,16.821 75.867,12.707 76.367,12.207 76.367,4.971 77.084,4.254 82.84,4.254 83.338,3.756 100.794,3.756 101.413,4.375 116.25,4.375 117.5,5.625 BTN3.2@117.5,6.175
WHEEL3PWM: BTN3.4 R11.1 U3.5 | length 112.9
  Top Layer w0.254: U3.5@57.2,69.092 60.666,69.092 61.875,67.883 73.68,67.883 74.81,66.753 74.81,38.698 75.749,37.759 75.749,17.425 75.91,17.264 75.91,14.615 77.511,13.014 79.143,13.014 79.147,13.01 80.716,13.01 81.136,12.59 82.614,12.59 83.149,13.125 100.601,13.125 101.851,11.875 103.983,11.875 106.002,9.856 R11.1@106.956,9.856 ; R11.1@106.85,9.75 108.448,8.152 110.356,8.152 110.383,8.125 112.5,8.125 BTN3.4@112.5,6.175
WHEEL4DIR: BTN4.2 U3.23 VD4.2 | length 176.6
  Top Layer w0.254: U3.23@57.2,80.522 57.254,80.468 59.268,80.468 64.798,74.939 76.673,74.939 81.866,69.746 81.866,41.621 83.024,40.463 83.024,36.426 v1(83.725,35.725) ; VD4.2@125.675,9.95 126.592,9.95 129.142,12.5 v1(130,12.5) 130.858,12.5 133.75,9.608 BTN4.2@133.75,9.375 BTN4.2@133.75,6.175
  Bottom Layer w0.254: v1(83.725,35.725) 83.71,35.71 80.772,35.71 77.261,32.199 77.261,18.928 75.363,17.03 75.363,12.499 75.859,12.003 75.859,4.766 76.875,3.75 82.632,3.75 83.13,3.252 101.377,3.252 101.875,3.75 126.25,3.75 127.473,4.973 127.473,6.704 128.221,7.452 129.952,7.452 130,7.5 v1(130,12.5)
WHEEL4PWM: BTN4.4 R12.1 U3.6 | length 129.4
  Top Layer w0.254: U3.6@57.2,69.727 60.743,69.727 62.084,68.387 73.889,68.387 75.314,66.962 75.314,38.907 76.253,37.968 76.253,17.634 76.414,17.473 76.414,14.824 77.715,13.522 79.354,13.522 79.362,13.514 80.924,13.514 81.344,13.094 82.406,13.094 82.941,13.629 100.809,13.629 101.344,13.094 101.369,13.094 101.953,12.51 119.99,12.51 122.775,9.725 123.125,9.725 124.698,8.152 126.606,8.152 126.633,8.125 128.75,8.125 BTN4.4@128.75,6.175
pads on no net: ILD4.3 ILD4.4 ILD4.5 ILD4.6 P1.3 P1.4 P1.6 P1.48 P4.5 P4.6 P4.7 P4.8 P4.21 P4.22 U1.10 U2.4 U2.5 U2.6 U2.7 U2.8 U2.9 U2.11 U2.12 U2.13 U2.14 U2.15 U2.16

## Polygon pours and split planes (outlines as drawn)
GND on Top Layer "Top Layer-No Net" (solid, pour order 42): 10.625,100.625 10.625,93.217 cw(c8.085,93.217) 9.881,91.421 9.503,91.043 cw(c8.583,91.963) 8.583,90.662 0.625,90.662 0.625,10.625 8.085,10.625 cw(c8.085,8.085) 10.625,8.085 10.625,7.857 10.625,0.625 140.695,0.625 140.695,8.085 cw(c143.235,8.085) 143.235,10.625 143.75,10.625 150.625,10.625 150.625,90.625 143.165,90.625 cw(c143.165,93.165) 140.625,93.165 140.625,93.393 140.625,100.625
GND on Bottom Layer "Top Layer-No Net" (solid, pour order 44): 0.625,90.625 8.085,90.625 ccw(c8.085,93.165) 10.625,93.165 10.625,100.625 140.625,100.625 140.625,93.165 ccw(c143.165,93.165) 143.165,90.625 150.625,90.625 150.625,10.625 143.165,10.625 ccw(c143.165,8.085) 140.625,8.085 140.625,0.625 10.625,0.625 10.625,8.085 ccw(c8.085,8.085) 8.085,10.625 0.625,10.625

## Other copper
Top Layer:
  pour cut-out: 94.415,49.375 ccw(c94.415,46.835) 91.875,46.835 91.875,45.665 ccw(c94.415,45.665) 94.415,43.125 95.585,43.125 ccw(c95.585,45.665) 98.125,45.665 98.125,46.835 ccw(c95.585,46.835) 95.585,49.375
  pour cut-out: 51.29,30.625 ccw(c51.29,28.085) 48.75,28.085 48.75,26.915 ccw(c51.29,26.915) 51.29,24.375 52.46,24.375 ccw(c52.46,26.915) 55,26.915 55,28.085 ccw(c52.46,28.085) 52.46,30.625
Bottom Layer:
  pour cut-out: 94.415,49.375 ccw(c94.415,46.835) 91.875,46.835 91.875,45.665 ccw(c94.415,45.665) 94.415,43.125 95.585,43.125 ccw(c95.585,45.665) 98.125,45.665 98.125,46.835 ccw(c95.585,46.835) 95.585,49.375
  pour cut-out: 51.29,30.625 ccw(c51.29,28.085) 48.75,28.085 48.75,26.915 ccw(c51.29,26.915) 51.29,24.375 52.46,24.375 ccw(c52.46,26.915) 55,26.915 55,28.085 ccw(c52.46,28.085) 52.46,30.625

## Silkscreen, mask and mechanical layers (free items; w line width, h text height)
Top Overlay:
  lines w0.5: 24.375,45 45.625,45 45.625,85 37.656,85 31.719,85 24.375,85 24.375,45
  text "+5" at 130,87.75 h1.5 r90
  text "+12" at 134.375,86.5 h1.5 r90
  text "GND" at 125,86.25 h1.5 r90
  text "+3.3" at 127.5,85 h1.5 r90
  text "Cross board / Version 1.0 / Skoltech Eurobot team / 2015" at 46.875,40.625 h2.5 r90
Bottom Overlay:
  lines w0.5: 32.5,8.125 51.875,8.125 51.875,27.969 51.875,53.906 51.875,71.875 32.5,71.875 32.5,8.125
  text "Cross board / Version 1.0 / Skoltech Eurobot team / 2015" at 66.875,75 h3 r90
Mechanical 3:
  the board outline again, w0.2

## Dimensions
95,46.25 to 0,0 on Top Overlay
151.25,0 to 95,46.25 on Top Overlay
51.875,27.5 to 151.25,0 on Top Overlay
0,0 to 151.25,0 on Top Overlay
0,0 to 0,101.25 on Top Overlay
5.625,95.625 to 0,101.25 on Top Overlay
5.625,95.625 to 0,101.25 on Top Overlay
51.875,27.5 to 0,0 on Top Overlay
5.625,5.625 to 0,0 on Top Overlay
5.625,5.625 to 0,0 on Top Overlay